# Altium PCB STC12C5A60S2_led流水灯.PcbDoc (part 2 of 2)
Units mm, origin at the board's own origin, x right, y up, seen from the top; angles counter-clockwise.
Board outline 98.73 x 79.17 mm, 2 copper layers (Top Layer, Bottom Layer); 224 components, 229 nets, 714 pads, 174 vias.
Unrouted connection lines stored in the file: 28.
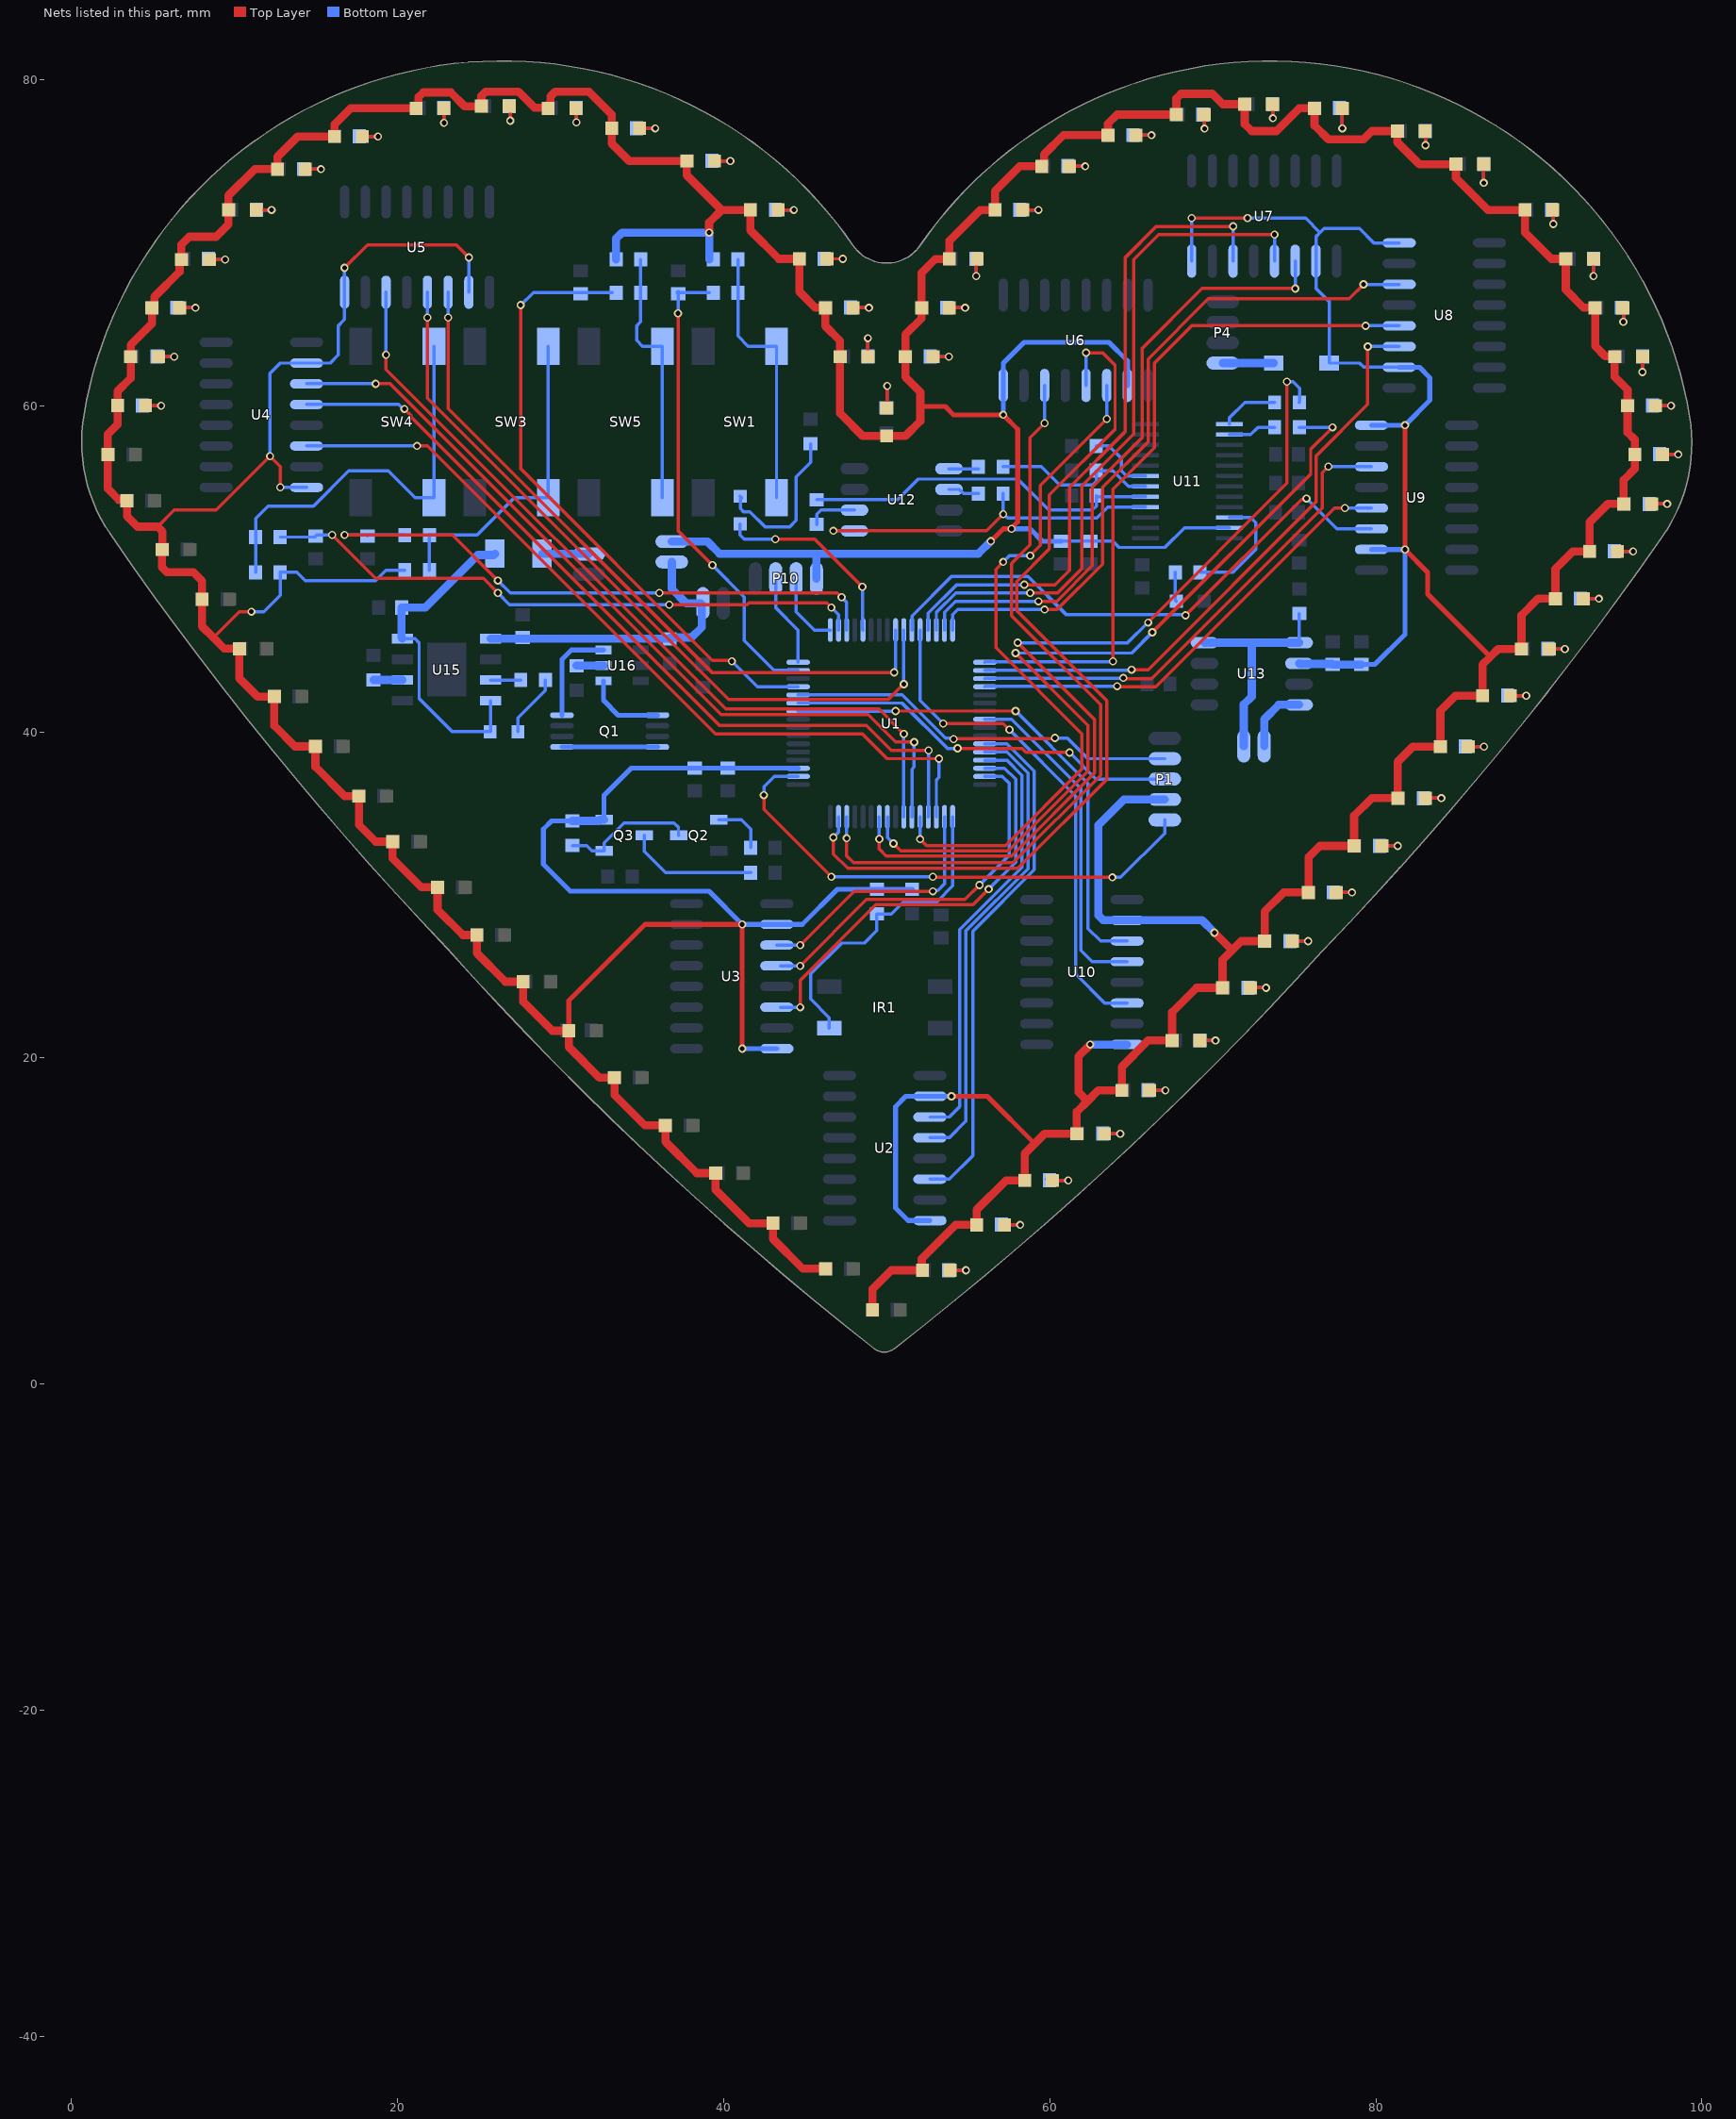
[diagram p2: the nets of this part, all layers, seen from the top]

## Via types
v1: diameter 0.5, hole 0.3, Top Layer to Bottom Layer, tented both sides, 174 vias

## Nets (pads, with @x,y where several pads share a name; then routed paths per layer and width w, separated by ;. In a path a pad name is that pad's centre, name@x,y a point inside that pad or via, vN(x,y) a via of type N, cw(c..) or ccw(c..) an arc to the next point about the centre after c; other vN are vias at no path point) (continued)
NetLED20_2: LED20.2 R20.2 | length 2.1
  Top Layer w0.2: LED20.2@4.551,60 v1(5.516,60)
  Bottom Layer w0.2: R20.2@4.377,60.013 4.39,60 v1(5.516,60)
NetLED21_2: LED21.2 R21.2 | length 2
  Top Layer w0.2: LED21.2@5.351,63 v1(6.316,63)
  Bottom Layer w0.2: R21.2@5.265,63.008 5.273,63 v1(6.316,63)
NetLED22_2: LED22.2 R22.2 | length 2.1
  Top Layer w0.2: LED22.2@6.651,66 v1(7.616,66)
  Bottom Layer w0.2: R22.2@6.477,66.008 6.485,66 v1(7.616,66)
NetLED23_2: LED23.2 R23.2 | length 2.1
  Top Layer w0.2: LED23.2@8.39,68.961 LED23.2@8.471,68.961 v1(9.436,68.961)
  Bottom Layer w0.2: R23.2@8.42,69 8.459,68.961 v1(9.436,68.961)
NetLED24_2: LED24.2 R24.2 | length 2
  Top Layer w0.2: LED24.2@11.351,72 v1(12.288,72)
  Bottom Layer w0.2: R24.2@11.185,72 v1(12.288,72)
NetLED25_2: LED25.2 R25.2 | length 2
  Top Layer w0.2: LED25.2@14.351,74.5 v1(15.316,74.5)
  Bottom Layer w0.2: R25.2@14.265,74.508 14.273,74.5 v1(15.316,74.5)
NetLED26_2: LED26.2 R26.2 | length 2.1
  Top Layer w0.2: LED26.2@17.851,76.5 v1(18.816,76.5)
  Bottom Layer w0.2: R26.2@17.677,76.508 17.685,76.5 v1(18.816,76.5)
NetLED27_2: LED27.2 R27.2 | length 1.8
  Top Layer w0.2: LED27.2@22.851,78.232 22.851,77.352 v1(22.86,77.343)
  Bottom Layer w0.2: R27.2@22.853,78.24 22.86,78.232 v1(22.86,77.343)
NetLED28_2: LED28.2 R28.2 | length 1.8
  Top Layer w0.2: LED28.2@26.851,78.359 26.924,78.286 v1(26.924,77.47)
  Bottom Layer w0.2: R28.2@26.853,78.367 26.924,78.295 v1(26.924,77.47)
NetLED29_2: LED29.2 R29.2 | length 1.8
  Top Layer w0.2: LED29.2@30.95,78.232 30.975,78.207 v1(30.975,77.368)
  Bottom Layer w0.2: R29.2@30.952,78.24 30.975,78.216 v1(30.975,77.368) v1@30.988,77.356
NetLED30_2: LED30.2 R30.2 | length 2.1
  Top Layer w0.2: LED30.2@34.851,77 v1(35.816,77)
  Bottom Layer w0.2: R30.2@34.677,77.008 34.685,77 v1(35.816,77)
NetLED31_2: LED31.2 R31.2 | length 2.1
  Top Layer w0.2: LED31.2@39.451,75 v1(40.416,75)
  Bottom Layer w0.2: R31.2@39.277,75.008 39.285,75 v1(40.416,75)
NetLED32_2: LED32.2 R32.2 | length 2.1
  Top Layer w0.2: LED32.2@43.351,72 v1(44.316,72)
  Bottom Layer w0.2: R32.2@43.177,72.008 43.185,72 v1(44.316,72)
NetLED33_2: LED33.2 R33.2 | length 2.1
  Top Layer w0.2: LED33.2@46.351,69 v1(47.316,69)
  Bottom Layer w0.2: R33.2@46.177,69.013 46.19,69 v1(47.316,69)
NetLED34_2: LED34.2 R34.2 | length 2.1
  Top Layer w0.2: LED34.2@47.951,66 v1(48.916,66)
  Bottom Layer w0.2: R34.2@47.777,66.013 47.79,66 v1(48.916,66)
NetLED35_2: LED35.2 R35.2 | length 2.3
  Top Layer w0.2: LED35.2@48.851,63 v1(48.851,64.135)
  Bottom Layer w0.2: R35.2@48.853,63.008 v1@48.853,64.133
NetLED36_2: LED36.2 R36.2 | length 2.8
  Top Layer w0.2: LED36.2@50,59.851 50.038,59.889 v1(50.038,61.214)
  Bottom Layer w0.2: R36.2@49.992,59.853 50.038,59.898 v1(50.038,61.214)
NetLED37_2: LED37.2 R37.2 | length 2.1
  Top Layer w0.2: LED37.2@52.851,63 v1(53.816,63)
  Bottom Layer w0.2: R37.2@52.677,63.008 52.685,63 v1(53.816,63)
NetLED38_2: LED38.2 R38.2 | length 2.1
  Top Layer w0.2: LED38.2@53.851,66 v1(54.816,66)
  Bottom Layer w0.2: R38.2@53.677,66.008 53.685,66 v1(54.816,66)
NetLED39_2: LED39.2 R39.2 | length 2.2
  Top Layer w0.2: v1(55.499,67.945) 55.499,68.948 LED39.2@55.551,69
  Bottom Layer w0.2: R39.2@55.465,69.008 55.499,68.974 v1(55.499,67.945)
NetLED40_2: LED40.2 R40.2 | length 2.1
  Top Layer w0.2: LED40.2@58.351,72 v1(59.316,72)
  Bottom Layer w0.2: R40.2@58.177,72.013 58.19,72 v1(59.316,72)
NetLED41_2: LED41.2 R41.2 | length 2
  Top Layer w0.2: LED41.2@61.214,74.676 v1(62.179,74.676)
  Bottom Layer w0.2: R41.2@61.128,74.684 61.136,74.676 v1(62.179,74.676)
NetLED42_2: LED42.2 R42.2 | length 2.1
  Top Layer w0.2: LED42.2@65.278,76.581 v1(66.243,76.581)
  Bottom Layer w0.2: R42.2@65.104,76.589 65.112,76.581 v1(66.243,76.581) v1@66.252,76.572
NetLED43_2: LED43.2 R43.2 | length 1.8
  Top Layer w0.2: LED43.2@69.469,77.851 69.494,77.826 v1(69.494,76.987)
  Bottom Layer w0.2: R43.2@69.383,77.859 69.494,77.747 v1(69.494,76.987)
NetLED44_2: LED44.2 R44.2 | length 1.8
  Top Layer w0.2: LED44.2@73.66,78.486 73.685,78.461 v1(73.685,77.622)
  Bottom Layer w0.2: R44.2@73.662,78.494 73.685,78.47 v1(73.685,77.622)
NetLED45_2: LED45.2 R45.2 | length 2.5
  Top Layer w0.2: v1(77.94,77) LED45.2@77.94,78.232
  Bottom Layer w0.2: R45.2@77.766,78.24 77.94,78.066 v1(77.94,77)
NetLED46_2: LED46.2 R46.2 | length 1.8
  Top Layer w0.2: LED46.2@83.02,76.835 83.045,76.81 v1(83.045,75.971)
  Bottom Layer w0.2: R46.2@83.022,76.843 83.045,76.819 v1(83.045,75.971)
NetLED47_2: LED47.2 R47.2 | length 2.3
  Top Layer w0.2: v1(86.614,73.66) LED47.2@86.614,74.803
  Bottom Layer w0.2: v1(86.614,73.66) R47.2@86.614,74.803
NetLED48_2: LED48.2 R48.2 | length 1.8
  Top Layer w0.2: LED48.2@90.851,72 90.876,71.975 v1(90.876,71.136)
  Bottom Layer w0.2: R48.2@90.765,72.008 90.876,71.896 v1(90.876,71.136)
NetLED49_2: LED49.2 R49.2 | length 2.1
  Top Layer w0.2: v1(93.345,67.945) 93.345,68.994 LED49.2@93.351,69
  Bottom Layer w0.2: v1(93.345,67.945) 93.345,69 R49.2@93.353,69.008
NetLED50_2: LED50.2 R50.2 | length 1.8
  Top Layer w0.2: LED50.2@95.151,66 95.176,65.975 v1(95.176,65.136)
  Bottom Layer w0.2: R50.2@95.065,66.008 95.176,65.896 v1(95.176,65.136)
NetLED51_2: LED51.2 R51.2 | length 1.9
  Top Layer w0.2: v1(96.351,62.061) LED51.2@96.351,63
  Bottom Layer w0.2: v1(96.351,62.061) 96.351,63.006 R51.2@96.353,63.008
NetLED52_2: LED52.2 R52.2 | length 2.1
  Top Layer w0.2: LED52.2@97.135,59.995 v1(98.1,59.995)
  Bottom Layer w0.2: R52.2@96.961,60.008 96.974,59.995 v1(98.1,59.995)
NetLED53_2: LED53.2 R53.2 | length 2.1
  Top Layer w0.2: LED53.2@97.583,57.01 v1(98.548,57.01)
  Bottom Layer w0.2: R53.2@97.409,57.023 97.422,57.01 v1(98.548,57.01)
NetLED54_2: LED54.2 R54.2 | length 2.1
  Top Layer w0.2: LED54.2@96.901,53.975 v1(97.866,53.975)
  Bottom Layer w0.2: R54.2@96.757,53.974 96.758,53.975 v1(97.866,53.975)
NetLED55_2: LED55.2 R55.2 | length 2.1
  Top Layer w0.2: LED55.2@94.811,51.062 v1(95.776,51.062)
  Bottom Layer w0.2: R55.2@94.637,51.07 94.645,51.062 v1(95.776,51.062)
NetLED56_2: LED56.2 R56.2 | length 2.1
  Top Layer w0.2: LED56.2@92.712,48.164 v1(93.678,48.164)
  Bottom Layer w0.2: R56.2@92.539,48.172 92.547,48.164 v1(93.678,48.164)
NetLED57_2: LED57.2 R57.2 | length 2
  Top Layer w0.2: LED57.2@90.628,45.077 v1(91.594,45.077)
  Bottom Layer w0.2: R57.2@90.542,45.085 90.55,45.077 v1(91.594,45.077)
NetLED58_2: LED58.2 R58.2 | length 2.1
  Top Layer w0.2: LED58.2@88.251,42.214 v1(89.216,42.214)
  Bottom Layer w0.2: R58.2@88.077,42.222 88.085,42.214 v1(89.216,42.214)
NetLED59_2: LED59.2 R59.2 | length 2.1
  Top Layer w0.2: LED59.2@85.661,39.089 v1(86.626,39.089)
  Bottom Layer w0.2: R59.2@85.487,39.097 85.495,39.089 v1(86.626,39.089)
NetLED60_2: LED60.2 R60.2 | length 2.1
  Top Layer w0.2: LED60.2@83.048,35.933 v1(84.013,35.933)
  Bottom Layer w0.2: R60.2@82.904,35.932 82.905,35.933 v1(84.013,35.933)
NetLED61_2: LED61.2 R61.2 | length 2.1
  Top Layer w0.2: LED61.2@80.371,33.008 v1(81.336,33.008)
  Bottom Layer w0.2: R61.2@80.227,33 80.235,33.008 v1(81.336,33.008)
NetLED62_2: LED62.2 R62.2 | length 2.1
  Top Layer w0.2: LED62.2@77.572,30.15 v1(78.537,30.15)
  Bottom Layer w0.2: R62.2@77.398,30.158 77.406,30.15 v1(78.537,30.15)
NetLED63_2: LED63.2 R63.2 | length 2.1
  Top Layer w0.2: LED63.2@74.88,27.17 v1(75.846,27.17)
  Bottom Layer w0.2: R63.2@74.736,27.17 v1(75.846,27.17)
NetLED64_2: LED64.2 R64.2 | length 2.1
  Top Layer w0.2: LED64.2@72.302,24.307 v1(73.267,24.307)
  Bottom Layer w0.2: R64.2@72.157,24.307 v1(73.267,24.307)
NetLED65_2: LED65.2 R65.2 | length 1.9
  Top Layer w0.2: LED65.2@69.205,21.074 v1(70.17,21.074)
  Bottom Layer w0.2: R65.2@69.206,21.082 69.214,21.074 v1(70.17,21.074)
NetLED66_2: LED66.2 R66.2 | length 2
  Top Layer w0.2: LED66.2@66.129,18 66.144,18.015 v1(67.094,18.015)
  Bottom Layer w0.2: R66.2@66.043,18 66.058,18.015 v1(67.094,18.015)
NetLED67_2: LED67.2 R67.2 | length 2
  Top Layer w0.2: LED67.2@63.363,15.359 v1(64.328,15.359)
  Bottom Layer w0.2: R67.2@63.247,15.367 63.255,15.359 v1(64.328,15.359)
NetLED68_2: LED68.2 R68.2 | length 2.1
  Top Layer w0.2: LED68.2@60.173,12.497 v1(61.138,12.497)
  Bottom Layer w0.2: R68.2@59.808,12.573 R68.2@59.816,12.565 ; R68.2@59.999,12.505 60.007,12.497 v1(61.138,12.497)
NetLED69_2: LED69.2 R69.2 | length 2.1
  Top Layer w0.2: LED69.2@57.227,9.771 v1(58.193,9.771)
  Bottom Layer w0.2: R69.2@57.054,9.779 57.062,9.771 v1(58.193,9.771)
NetLED70_2: LED70.2 R70.2 | length 2
  Top Layer w0.2: LED70.2@53.899,6.985 v1(54.864,6.985)
  Bottom Layer w0.2: R70.2@53.813,6.993 53.821,6.985 v1(54.864,6.985)
NetLED71_2: LED71.2 R101.2 | length 3.9
  Bottom Layer w0.2: LED71.2@27.394,40.005 27.394,40.856 29.074,42.536 R101.2@29.074,43.18
NetLED72_1: LED72.1 R79.1 | length 1.8
  Bottom Layer w0.2: R79.1@67.7,49.784 67.7,48.074 LED72.1@67.767,48.006
NetLED73_2: LED73.2 R78.2 | length 9.9
  Bottom Layer w0.2: LED73.2@41.021,54.445 41.11,54.356 41.029,54.275 41.029,53.693 41.225,53.498 41.625,53.498 42.545,52.578 44.069,52.578 44.45,52.959 44.45,55.626 45.339,56.515 R78.2@45.339,57.667
NetQ1_1: Q1.1 Q1.8 | length 5.9
  Bottom Layer w0.3: Q1.1@30.093,39.073 Q1.8@35.947,39.073
NetQ1_4: Q1.4 U16.3 | length 6.2
  Bottom Layer w0.3: Q1.4@30.093,41.024 30.093,44.444 30.668,45.019 U16.3@32.637,45.019
NetQ1_5: Q1.5 U16.1 | length 4.9
  Bottom Layer w0.3: U16.1@32.637,43.119 32.637,41.932 33.545,41.024 Q1.5@35.947,41.024
NetQ2_1: Q2.1 R72.2 | length 3.3
  Bottom Layer w0.2: Q2.1@39.716,34.605 41.087,34.605 41.665,34.027 R72.2@41.665,32.893
NetQ2_3: Q2.3 Q3.1 R75.2 | length 8.2
  Bottom Layer w0.2: R75.2@30.734,33.029 30.743,33.02 31.623,33.02 31.938,32.705 Q3.1@32.674,32.705 32.68,32.711 32.68,33.188 33.909,34.417 36.957,34.417 37.236,34.138 37.236,33.665 Q2.3@37.246,33.655
NetQ3_3: Q3.3 R76.1 | length 8
  Bottom Layer w0.2: Q3.3@35.144,33.655 35.144,32.674 36.449,31.369 R76.1@41.665,31.369
NetR73_1: R73.1 R74.1 SW1.1 SW1.2 | length 16.6
  Bottom Layer w0.2: R73.1@40.885,68.961 R74.1@40.885,66.929 40.885,64.271 41.513,63.643 SW1.2@43.25,63.643 SW1.1@43.25,54.357
NetR79_2: R79.2 U11.10 | length 7.4
  Bottom Layer w0.2: R79.2@69.206,49.784 71.247,49.784 72.644,51.181 72.644,52.832 72.326,53.149 U11.10@71.023,53.149
NetR80_2: R80.2 U12.2 | length 1.9
  Bottom Layer w0.2: U12.2@53.827,54.864 54.462,54.864 54.716,54.61 R80.2@55.635,54.61
NetR81_2: R81.2 U12.1 | length 1.8
  Bottom Layer w0.2: U12.1@53.827,56.134 R81.2@55.635,56.134
NetR82_1: R82.1 U12.6 | length 3
  Bottom Layer w0.2: R82.1@45.72,52.714 45.72,53.34 45.974,53.594 U12.6@48.027,53.594
NetR83_1: R83.1 U11.19 | length 4.2
  Bottom Layer w0.2: R83.1@62.856,57.531 63.627,57.531 64.389,56.769 64.389,56.007 64.706,55.69 U11.19@65.883,55.69
NetR89_1: R89.1 R90.1 SW5.1 SW5.2 | length 16.1
  Bottom Layer w0.2: 34.916,65.144 R90.1@34.916,66.929 R89.1@34.916,68.961 ; 34.917,65.143 34.671,64.897 34.671,64.008 35.036,63.643 SW5.2@36.25,63.643 SW5.1@36.25,54.357
NetR91_1: R91.1 R92.1 SW3.1 SW3.2 | length 19.7
  Bottom Layer w0.2: R91.1@21.962,49.911 R92.1@21.962,52.07 24.892,52.07 27.179,54.357 SW3.1@29.25,54.357 SW3.2@29.25,63.643
NetR93_1: R93.1 R94.1 SW4.1 SW4.2 | length 25.4
  Bottom Layer w0.2: R93.1@11.312,49.784 R94.1@11.312,51.943 11.312,53.095 12.065,53.848 14.859,53.848 17.018,56.007 19.431,56.007 21.081,54.357 SW4.1@22.25,54.357 SW4.2@22.25,63.643
NetR95_2: R95.2 U11.1 | length 3.6
  Bottom Layer w0.2: U11.1@71.023,58.864 71.023,59.257 71.964,60.198 R95.2@73.796,60.198
NetR96_2: R96.2 U11.2 | length 3
  Bottom Layer w0.2: U11.2@71.023,58.229 72.326,58.229 72.771,58.674 R96.2@73.796,58.674
NetR100_2: R100.2 U15.2 | length 1.8
  Bottom Layer w0.5: R100.2@18.542,43.189 18.546,43.184 20.316,43.184 U15.2@20.32,43.18
NetR101_1: R101.1 U15.7 | length 1.8
  Bottom Layer w0.2: U15.7@25.72,43.18 R101.1@27.568,43.18
NetR102_1: R102.1 U16.2 | length 1.7
  Bottom Layer w0.5: R102.1@30.988,44.06 30.992,44.065 32.633,44.065 U16.2@32.637,44.069
P0.0: U1.59 U2.14 | length 32.1
  Bottom Layer w0.2: U2.14@52.655,12.573 53.848,12.573 55.286,14.011 55.286,27.774 59.055,31.543 59.055,37.592 57.38,39.267 U1.59@56.027,39.267
P0.1: U1.60 U2.12 | length 28.7
  Bottom Layer w0.2: U2.12@52.655,15.113 53.848,15.113 54.864,16.129 54.864,27.805 58.674,31.615 58.674,37.465 57.372,38.767 U1.60@56.027,38.767
P0.2: U1.61 U2.11 | length 26.6
  Bottom Layer w0.2: U2.11@52.655,16.383 53.848,16.383 54.483,17.018 54.483,27.876 58.293,31.686 58.293,37.338 57.364,38.267 U1.61@56.027,38.267
P0.3: U1.62 U3.14 | length 26.3
  Top Layer w0.2: v1(44.704,23.114) 44.704,24.765 49.337,29.398 55.306,29.398 v1(56.261,30.353)
  Bottom Layer w0.2: U3.14@43.5,23.114 v1(44.704,23.114) ; U1.62@56.027,37.767 57.239,37.767 57.912,37.094 57.912,32.004 v1(56.261,30.353)
P0.4: U1.63 U3.12 | length 22.9
  Top Layer w0.2: v1(44.704,25.654) 48.768,29.718 54.806,29.718 v1(55.695,30.607)
  Bottom Layer w0.2: U3.12@43.5,25.654 v1(44.704,25.654) ; v1(55.695,30.607) 57.531,32.443 57.531,36.83 57.094,37.267 U1.63@56.027,37.267
P0.5: U1.2 U3.11 | length 15.9
  Top Layer w0.2: v1(44.704,26.924) 48.006,30.226 v1(52.832,30.226)
  Bottom Layer w0.2: U3.11@43.269,26.924 v1(44.704,26.924) ; v1(52.832,30.226) 52.889,30.283 53.143,30.283 53.552,30.692 U1.2@53.552,34.792
P0.6: U1.3 U4.14 | length 50.4
  Top Layer w0.2: v1(21.209,57.531) 21.844,57.531 39.497,39.878 48.514,39.878 50.038,38.354 v1(53.213,38.354)
  Bottom Layer w0.2: U4.14@14.428,57.531 v1(21.209,57.531) ; U1.3@53.052,34.792 53.052,37.05 53.213,37.211 v1(53.213,38.354)
P0.7: U1.4 U4.12 | length 51.1
  Top Layer w0.2: v1(20.432,59.802) 20.843,59.391 20.843,59.294 39.751,40.386 48.768,40.386 50.292,38.862 v1(52.578,38.862)
  Bottom Layer w0.2: U4.12@14.428,60.071 20.082,60.071 20.351,59.802 v1(20.432,59.802) ; U1.4@52.552,34.792 52.565,34.805 52.565,38.849 v1(52.578,38.862)
P1.4: U1.14 U6.14 | length 47.4
  Top Layer w0.2: v1(47.552,33.474) 47.552,32.397 47.975,31.974 57.755,31.974 63.119,37.338 63.119,41.656 57.658,47.117 57.658,50.322 58.801,51.465 58.801,58.039 v1(59.69,58.928)
  Bottom Layer w0.2: v1(47.552,33.474) U1.14@47.552,34.792 ; v1(59.69,58.928) U6.14@59.69,61.239
P1.5: U1.15 U6.12 | length 56.1
  Top Layer w0.2: v1(46.736,33.528) 46.736,32.512 47.625,31.623 58.039,31.623 63.5,37.084 63.5,41.91 57.978,47.432 57.978,49.217 59.982,51.221 59.982,54.521 64.008,58.547 64.008,62.484 63.246,63.246 v1(62.229,63.246)
  Bottom Layer w0.2: v1(46.736,33.528) 47.052,33.844 U1.15@47.052,34.792 ; U6.12@62.23,61.239 v1(62.229,63.246)
P2.0: U1.45 U7.14 | length 40.9
  Top Layer w0.2: v1(58.448,49.022) 58.457,49.013 60.316,49.013 61.214,49.911 61.214,54.991 64.643,58.42 64.643,69.088 66.548,70.993 v1(71.247,70.993)
  Bottom Layer w0.2: U1.45@52.552,46.242 52.552,47.273 54.301,49.022 v1(58.448,49.022) ; U7.14@71.247,68.859 v1(71.247,70.993)
P2.1: U1.46 U7.12 | length 42.3
  Top Layer w0.2: v1(58.802,48.513) 58.803,48.514 60.483,48.514 61.976,50.007 61.976,55.08 65.151,58.255 65.151,68.961 66.675,70.485 v1@73.771,70.485
  Bottom Layer w0.2: U1.46@53.052,46.242 53.052,47.321 54.245,48.514 v1(58.802,48.513) v1(58.802,48.513) ; U7.12@73.787,68.859 v1(73.787,70.485)
P2.2: U1.47 U7.11 | length 38.5
  Top Layer w0.2: v1(59.309,48.006) 60.428,48.006 62.611,50.189 62.611,54.991 65.659,58.039 65.659,63.5 69.342,67.183 v1(75.057,67.183)
  Bottom Layer w0.2: U1.47@53.552,46.242 53.552,47.329 54.229,48.006 v1(59.309,48.006) ; v1(75.057,67.183) U7.11@75.057,68.859
P2.3: U1.48 U8.14 | length 42.4
  Top Layer w0.2: v1(59.69,47.498) 60.452,47.498 63.246,50.292 63.246,54.991 66.04,57.785 66.04,62.865 69.723,66.548 78.359,66.548 v1(79.248,67.437)
  Bottom Layer w0.2: U1.48@54.052,46.242 54.052,47.194 54.356,47.498 v1(59.69,47.498) ; v1(79.248,67.437) U8.14@81.432,67.437
P2.4: U1.49 U8.12 | length 43.2
  Top Layer w0.2: v1(63.881,44.323) 63.881,54.878 66.421,57.418 66.421,62.611 68.707,64.897 v1(79.375,64.897)
  Bottom Layer w0.2: U1.49@56.027,44.267 56.046,44.286 63.844,44.286 v1(63.881,44.323) ; v1(79.375,64.897) U8.12@81.432,64.897
P2.5: U1.50 U8.11 | length 37.4
  Top Layer w0.2: v1(65.024,43.815) 66.04,43.815 76.327,54.102 76.327,56.896 79.502,60.071 v1(79.502,63.627)
  Bottom Layer w0.2: U1.50@56.027,43.767 56.046,43.786 64.995,43.786 v1(65.024,43.815) ; v1(79.502,63.627) U8.11@81.432,63.627
P2.6: U1.51 U9.14 | length 30.4
  Top Layer w0.2: v1(64.516,43.307) 64.556,43.267 66.254,43.267 76.708,53.721 76.708,55.88 v1(77.089,56.261)
  Bottom Layer w0.2: U1.51@56.027,43.267 56.046,43.286 64.495,43.286 v1(64.516,43.307) ; v1(77.089,56.261) U9.14@79.731,56.261
P2.7: U1.52 U9.12 | length 28.3
  Top Layer w0.2: v1(64.135,42.799) 64.167,42.767 66.516,42.767 77.47,53.721 v1(78.105,53.721)
  Bottom Layer w0.2: U1.52@56.027,42.767 56.043,42.783 64.119,42.783 v1(64.135,42.799) ; v1(78.105,53.721) U9.12@79.731,53.721
P3.0: P1.3 U1.27 | length 24.4
  Top Layer w0.2: v1(54.356,38.989) 58.293,38.989 58.547,38.735 v1(61.214,38.735)
  Bottom Layer w0.2: U1.27@44.577,41.767 50.943,41.767 53.721,38.989 v1(54.356,38.989) ; v1(61.214,38.735) 62.845,37.104 P1.3@67.056,37.104
P3.1: P1.4 U1.28 | length 24.2
  Top Layer w0.2: v1(54.102,39.555) 54.137,39.589 60.29,39.589 v1(60.325,39.624)
  Bottom Layer w0.2: U1.28@44.577,42.267 50.951,42.267 53.606,39.612 54.045,39.612 v1(54.102,39.555) ; v1(60.325,39.624) 61.087,39.624 62.357,38.354 P1.4@67.056,38.354
P3.2: C20.2 R90.2 U1.29 | length 38.5
  Top Layer w0.2: v1(27.559,66.167) 27.559,56.134 39.313,44.38 40.456,44.38 v1(40.513,44.323)
  Bottom Layer w0.2: v1(27.559,66.167) 28.337,66.945 31.242,66.945 31.258,66.929 R90.2@33.163,66.929 ; v1(40.513,44.323) 42.069,42.767 U1.29@44.577,42.767
P3.4: C5.2 R74.2 U1.31 | length 29
  Top Layer w0.2: v1(37.211,65.659) 37.211,52.324 v1(39.317,50.218)
  Bottom Layer w0.2: v1(37.211,65.659) C5.2@37.211,66.864 C5.2@37.211,66.945 ; C5.2@37.227,66.929 R74.2@39.132,66.929 ; v1(39.317,50.218) 41.275,48.26 41.275,45.593 43.101,43.767 U1.31@44.577,43.767
  Bottom Layer w0.3: C5.2@37.211,66.945 C5.2@37.227,66.929
P3.5: C22.2 R94.2 U1.34 | length 37.4
  Top Layer w0.2: v1(16.002,52.07) 18.669,49.403 25.273,49.403 v1(26.162,48.514) ; v1(36.668,47.79) 41.432,47.79 41.556,47.914 46.32,47.914 v1(46.609,47.625)
  Bottom Layer w0.2: R94.2@12.818,51.943 14.921,51.943 15.048,52.07 v1(16.002,52.07) ; v1(26.162,48.514) 26.874,47.802 36.656,47.802 v1(36.668,47.79) ; v1(46.609,47.625) 47.052,47.182 U1.34@47.052,46.242
P3.6: C21.2 R92.2 U1.35 | length 37.9
  Top Layer w0.2: v1(16.764,52.07) 23.368,52.07 v1(26.162,49.276) ; v1(36.068,48.514) 46.977,48.514 47.231,48.26 v1(47.244,48.26)
  Bottom Layer w0.2: v1(16.764,52.07) 18.099,52.07 C21.2@18.161,52.008 18.223,52.07 R92.2@20.456,52.07 ; v1(26.162,49.276) 26.924,48.514 v1(36.068,48.514) ; v1(47.244,48.26) 47.552,47.952 U1.35@47.552,46.242
P4.1: U1.41 U5.11 | length 43.8
  Top Layer w0.2: v1(23.114,65.405) 23.114,59.817 39.287,43.644 v1(50.463,43.644)
  Bottom Layer w0.2: v1(23.114,65.405) U5.11@23.114,66.954 ; v1(50.463,43.644) 50.463,43.725 50.552,43.813 U1.41@50.552,46.242
P4.2: U1.42 U5.12 | length 47.1
  Top Layer w0.2: v1(21.844,65.405) 21.844,60.452 40.322,41.974 50.102,41.974 v1(51.054,42.926)
  Bottom Layer w0.2: v1(21.844,65.405) U5.12@21.844,66.954 ; U1.42@51.052,46.242 51.052,42.928 v1(51.054,42.926)
P4.3: U1.43 U9.11 | length 34.8
  Top Layer w0.2: v1(68.326,47.142) 75.433,54.249 75.692,54.249 v1(75.749,54.307)
  Bottom Layer w0.2: U1.43@51.552,46.242 51.552,47.107 53.975,49.53 58.674,49.53 61.029,47.175 68.293,47.175 v1(68.326,47.142) ; v1(75.749,54.307) 77.605,52.451 U9.11@79.731,52.451
P4.4: U1.44 U10.14 | length 31.1
  Top Layer w0.2: v1(53.467,40.513) 57.134,40.513 57.515,40.132 v1(57.531,40.132)
  Bottom Layer w0.2: U1.44@52.052,46.242 52.052,41.928 v1(53.467,40.513) ; v1(57.531,40.132) 61.595,36.068 61.595,25.146 63.373,23.368 U10.14@64.745,23.368
P4.5: U1.56 U10.12 | length 20.7
  Bottom Layer w0.2: U1.56@56.027,40.767 57.658,40.767 61.915,36.51 61.915,26.604 62.611,25.908 U10.12@64.745,25.908
P5.3: IR1.3 R88.1 U1.1 | length 19.6
  Bottom Layer w0.2: IR1.3@46.486,21.844 46.484,21.846 46.484,22.477 45.339,23.622 45.339,25.146 47.244,27.051 48.641,27.051 49.403,27.813 R88.1@49.403,28.838 50.301,28.838 51.054,29.591 53.086,29.591 54.052,30.557 U1.1@54.052,34.792
P6.0: U1.5 U6.11 | length 42.7
  Top Layer w0.2: v1(52.052,33.419) 52.446,33.025 57.282,33.025 61.976,37.719 61.976,39.878 56.698,45.156 56.698,49.967 v1(57.15,50.419) ; v1(58.801,50.8) 59.436,51.435 59.436,55.118 v1(63.5,59.182)
  Bottom Layer w0.2: v1(52.052,33.419) U1.5@52.052,34.792 ; v1(57.15,50.419) 57.531,50.8 v1(58.801,50.8) ; v1(63.5,59.182) U6.11@63.5,61.239
P6.1: U1.6 U4.11 | length 51
  Top Layer w0.2: v1(18.669,61.341) 19.558,61.341 39.848,41.051 48.865,41.051 50.546,39.37 v1(51.689,39.37)
  Bottom Layer w0.2: U4.11@14.428,61.341 v1(18.669,61.341) ; U1.6@51.552,34.792 51.552,37.709 51.689,37.846 v1(51.689,39.37)
P6.2: U1.7 U5.14 | length 50.8
  Top Layer w0.2: v1(19.304,63.119) 19.304,62.23 40.132,41.402 49.53,41.402 v1(51.054,39.878)
  Bottom Layer w0.2: v1(19.304,63.119) U5.14@19.304,66.954 ; U1.7@51.052,34.792 51.053,34.793 v1(51.054,39.878) v1(51.054,39.878)
P6.7: U1.26 U10.11 | length 31.2
  Top Layer w0.2: v1(50.546,41.275) v1(57.912,41.275)
  Bottom Layer w0.2: U1.26@44.577,41.267 50.538,41.267 v1(50.546,41.275) ; v1(57.912,41.275) 62.357,36.83 62.357,27.94 63.119,27.178 U10.11@64.745,27.178
P7.0: LED73.1 U1.37 | length 12.1
  Top Layer w0.2: v1(43.18,51.816) 45.593,51.816 v1(48.514,48.895)
  Bottom Layer w0.2: LED73.1@41.021,52.743 41.021,52.07 41.275,51.816 v1(43.18,51.816) ; v1(48.514,48.895) 48.533,48.876 48.533,46.261 U1.37@48.552,46.242
RST: P1.1 U1.18 | length 32
  Top Layer w0.2: v1(42.474,36.124) 42.474,35.25 v1(46.609,31.115) ; v1(52.832,31.115) 52.87,31.077 v1(63.843,31.077)
  Bottom Layer w0.2: v1(42.474,36.124) 42.474,36.632 43.109,37.267 U1.18@44.577,37.267 ; v1(46.609,31.115) v1(52.832,31.115) ; v1(63.843,31.077) 64.351,31.077 67.056,33.782 P1.1@67.056,34.604
RXD3: P10.3 U1.32 | length 5.7
  Bottom Layer w0.2: P10.3@43.2,49.403 43.2,47.605 44.577,46.228 U1.32@44.577,44.267
SPI_CLK: R82.2 R85.1 U11.17 | length 22.2
  Bottom Layer w0.2: R82.2@45.72,54.255 50.699,54.255 51.943,55.499 58.039,55.499 59.944,53.594 62.611,53.594 62.856,53.839 R85.1@62.856,54.483 62.92,54.42 U11.17@65.883,54.42
SPI_CS: R81.1 R84.1 U11.18 | length 10.3
  Bottom Layer w0.2: R81.1@57.141,56.261 59.487,56.261 60.605,55.144 62.637,55.144 62.856,55.363 R84.1@62.856,56.007 63.881,56.007 64.833,55.055 U11.18@65.883,55.055
SPI_DO: R80.1 U11.16 U12.5 | length 22.5
  Top Layer w0.2: v1(46.736,52.324) 56.134,52.324 v1(57.15,53.34)
  Bottom Layer w0.2: v1(46.736,52.324) U12.5@48.027,52.324 ; R80.1@57.141,54.61 57.15,54.601 v1(57.15,53.34) 57.195,53.34 57.417,53.118 62.897,53.118 63.564,53.785 U11.16@65.883,53.785
SPK1: P2.2 R86.2 U13.4 U13.5 | length 14.1
  Bottom Layer w0.2: U13.5@75.29,45.466 75.29,47.232 R86.2@75.311,47.253
  Bottom Layer w0.5: U13.4@69.49,45.466 72.39,45.466 ; P2.2@71.902,39.116 71.902,41.676 72.39,42.164 72.39,45.466 ; U13.5@75.29,45.466 72.39,45.466
SPK2: P2.1 U13.8 | length 4.2
  Bottom Layer w0.5: P2.1@73.152,39.116 73.152,40.767 74.041,41.656 U13.8@75.29,41.656
TXD3: P10.2 U1.33 | length 4.6
  Bottom Layer w0.2: P10.2@44.45,49.403 44.45,47.371 45.579,46.242 U1.33@46.552,46.242
UART_RXD2: R96.1 U1.9 | length 53.1
  Top Layer w0.2: v1(50.419,33.147) 50.861,32.705 57.47,32.705 62.357,37.592 62.357,40.386 v1(57.912,44.831) ; v1(66.294,46.101) 76.007,55.814 76.007,57.338 v1(77.343,58.674)
  Bottom Layer w0.2: U1.9@50.052,34.792 50.052,33.514 v1(50.419,33.147) ; v1(57.912,44.831) 65.024,44.831 v1(66.294,46.101) ; R96.1@75.302,58.674 v1(77.343,58.674)
UART_TXD2: R95.1 U1.10 | length 56
  Top Layer w0.2: v1(49.552,33.423) 49.552,32.816 49.983,32.385 57.658,32.385 62.738,37.465 62.738,40.767 v1(58.039,45.466) ; v1(66.04,46.705) 66.04,46.736 74.549,55.245 v1(74.549,61.468)
  Bottom Layer w0.2: v1(49.552,33.423) U1.10@49.552,34.792 ; v1(58.039,45.466) 64.77,45.466 66.009,46.705 v1(66.04,46.705) ; v1(74.549,61.468) 74.93,61.468 75.331,61.067 75.331,60.227 R95.1@75.302,60.198
USB-A: D2.1 P4.4 | length 3.1
  Bottom Layer w0.5: P4.4@70.612,62.611 D2.1@73.738,62.611
Vbat+: C26.1 P3.2 R103.1 SW2.1 U15.5 | length 18.5
  Bottom Layer w0.5: U15.5@25.72,45.72 36.703,45.72 36.766,45.783 38.036,45.783 38.678,46.425 38.678,47.822 38.654,47.822 38.596,47.879 37.719,47.879 36.83,48.768 SW2.1@36.83,50.419
VBUS: C25.1 F1.2 LED71.1 U15.4 U15.8 | length 20.7
  Bottom Layer w0.2: U15.4@20.32,45.72 21.08,45.72 21.336,45.464 21.336,42.037 23.368,40.005 LED71.1@25.692,40.005 25.72,40.033 U15.8@25.72,41.91
  Bottom Layer w0.5: U15.4@20.32,45.72 20.308,45.72 20.258,45.77 C25.1@20.258,47.625 21.717,47.625 24.935,50.843 25.903,50.843 F1.2@25.987,50.927
VBUS_5V: F1.1 P0.1 | length 2.9
  Bottom Layer w0.5: F1.1@28.877,50.927 28.897,50.907 P0.1@31.75,50.907
VCC_5V: C3.2 C4.2 C10.1 C11.1 C17.2 C18.2 D2.2 LED1.1 LED2.1 LED3.1 LED4.1 LED5.1 LED6.1 LED7.1 LED8.1 LED9.1 LED10.1 LED11.1 LED12.1 LED13.1 LED14.1 LED15.1 LED16.1 LED17.1 LED18.1 LED19.1 LED20.1 LED21.1 LED22.1 LED23.1 LED24.1 LED25.1 LED26.1 LED27.1 LED28.1 LED29.1 LED30.1 LED31.1 LED32.1 LED33.1 LED34.1 LED35.1 LED36.1 LED37.1 LED38.1 LED39.1 LED40.1 LED41.1 LED42.1 LED43.1 LED44.1 LED45.1 LED46.1 LED47.1 LED48.1 LED49.1 LED50.1 LED51.1 LED52.1 LED53.1 LED54.1 LED55.1 LED56.1 LED57.1 LED58.1 LED59.1 LED60.1 LED61.1 LED62.1 LED63.1 LED64.1 LED65.1 LED66.1 LED67.1 LED68.1 LED69.1 LED70.1 P1.2 P10.1 Q3.2 R73.2 R75.1 R87.2 R88.2 R89.2 R91.2 R93.2 SW2.2 U1.19 U2.10 U2.16 U3.10 U3.16 U4.10 U4.16 U5.10 U5.16 U6.10 U6.16 U7.10 U7.16 U8.10 U8.16 U9.10 U9.16 U10.10 U10.16 U11.11 U13.6 | length 638.6
  Top Layer w0.2: 5.304,52.578 6.32,53.594 8.89,53.594 v1(12.192,56.896) 12.827,56.261 v1(12.827,54.991) ; 8.713,45.782 10.303,47.371 v1(11.049,47.371) ; v1(16.764,68.453) 18.161,69.85 23.622,69.85 v1(24.384,69.088) ; v1(68.707,71.501) v1(72.136,71.501)
  Top Layer w0.3: LED7.1@30.512,21.674 30.512,23.527 35.179,28.194 v1(41.148,28.194) v1(41.148,20.574) ; 52.07,59.944 53.594,59.944 54.102,59.436 v1(57.15,59.436) 58.039,58.547 58.039,52.886 57.658,52.505 v1(57.658,52.451) 57.15,52.451 v1(56.388,51.689) ; v1(53.975,17.653) 56.177,17.653 59.076,14.753 ; v1(81.788,58.801) v1(81.788,51.181) 83.185,49.784 83.185,48.441 87.022,44.604
  Top Layer w0.5: v1(39.116,70.612) 39.116,71.229 39.887,72 ; LED2.1@46.261,7.078 44.865,7.078 43.032,8.911 LED3.1@43.032,9.872 41.563,9.872 39.516,11.919 39.516,12.938 LED4.1@39.524,12.946 38.362,12.946 36.436,14.872 LED5.1@36.436,15.867 35.187,15.867 33.312,17.742 LED6.1@33.312,18.796 32.385,18.796 30.512,20.669 LED7.1@30.512,21.674 29.507,21.674 27.713,23.468 LED8.1@27.713,24.683 26.625,24.683 24.879,26.429 LED9.1@24.879,27.54 24.022,27.54 22.466,29.096 LED10.1@22.466,30.467 21.476,30.467 19.712,32.231 LED11.1@19.712,33.266 18.677,33.266 17.64,34.303 LED12.1@17.64,36.06 16.772,36.06 14.973,37.859 LED13.1@14.973,39.108 13.724,39.108 12.455,40.377 LED14.1@12.455,42.164 11.43,42.164 10.314,43.28 LED15.1@10.314,45.096 9.399,45.096 8.713,45.782 8.028,46.468 LED16.1@8.028,48.125 8.028,49.249 7.493,49.784 5.868,49.784 5.575,50.077 LED17.1@5.575,51.173 5.575,51.302 5.597,51.323 5.597,52.285 5.304,52.578 4.064,52.578 3.416,53.226 LED18.1@3.416,54.165 3.416,54.229 2.921,54.229 2.249,54.901 LED19.1@2.249,57 2.249,58.256 2.849,58.856 LED20.1@2.849,60 2.849,60.888 3.649,61.688 LED21.1@3.649,63 3.649,63.72 4.949,65.02 LED22.1@4.949,66 5.099,66.15 5.099,66.678 6.646,68.224 6.646,68.837 LED23.1@6.769,68.961 6.761,68.969 6.761,69.88 7.239,70.358 8.89,70.358 9.649,71.117 LED24.1@9.649,72 9.649,72.895 11.254,74.5 LED25.1@12.649,74.5 12.649,75.26 13.889,76.5 LED26.1@16.149,76.5 16.149,77.236 17.145,78.232 LED27.1@21.149,78.232 21.299,78.382 21.299,78.916 21.592,79.209 23.28,79.209 24.13,78.359 LED28.1@25.149,78.359 25.149,78.991 25.406,79.248 27.432,79.248 28.418,78.262 29.218,78.262 LED29.1@29.248,78.232 29.386,78.37 29.386,78.955 29.679,79.248 31.75,79.248 33.149,77.849 LED30.1@33.149,77 33.149,76.071 34.22,75 LED31.1@37.749,75 37.749,74.138 39.887,72 ; LED1.1@49.136,4.553 49.136,5.829 50.292,6.985 LED70.1@52.197,6.985 52.154,7.028 52.154,7.688 54.237,9.771 LED69.1@55.526,9.771 55.526,10.695 57.328,12.497 LED68.1@58.471,12.497 58.471,14.148 59.076,14.753 59.682,15.359 LED67.1@61.661,15.359 61.661,16.703 62.317,17.359 ; v1(62.484,20.828) 61.762,20.106 61.762,17.914 62.317,17.359 ; v1(70.104,27.686) 71.173,26.617 71.173,26.596 ; 39.887,72 LED32.1@41.649,72 41.649,70.746 43.395,69 LED33.1@44.649,69 44.649,66.984 45.633,66 LED34.1@46.249,66 46.249,64.876 47.149,63.976 LED35.1@47.149,63 47.149,59.531 48.531,58.149 LED36.1@50,58.149 51.164,58.149 52.07,59.055 52.07,59.944 52.07,60.833 51.149,61.754 LED37.1@51.149,63 51.149,64.357 52.149,65.357 LED38.1@52.149,66 52.149,68.151 52.993,68.995 53.844,68.995 LED39.1@53.849,69 53.849,70.105 55.744,72 LED40.1@56.649,72 56.649,73.159 58.166,74.676 LED41.1@59.512,74.676 59.65,74.814 59.65,75.398 60.833,76.581 LED42.1@63.576,76.581 63.576,77.292 64.135,77.851 LED43.1@67.767,77.851 67.767,78.828 68.06,79.121 69.977,79.121 70.612,78.486 LED44.1@71.958,78.486 71.958,77.267 72.39,76.835 73.914,76.835 75.311,78.232 LED45.1@76.238,78.232 76.238,77.178 77.089,76.327 79.248,76.327 79.756,76.835 LED46.1@81.318,76.835 81.318,76.162 82.677,74.803 LED47.1@84.912,74.803 84.912,73.965 86.877,72 LED48.1@89.149,72 89.149,70.617 90.766,69 LED49.1@91.649,69 91.649,67.101 92.75,66 LED50.1@93.449,66 93.449,63.65 94.066,63.033 94.616,63.033 LED51.1@94.649,63 94.649,61.756 95.433,60.972 LED52.1@95.433,59.995 95.433,58.364 95.881,57.916 LED53.1@95.881,57.01 95.932,56.959 95.885,56.913 95.885,56.134 95.199,55.448 LED54.1@95.199,53.975 94.234,53.975 93.109,52.85 LED55.1@93.109,51.062 92.083,51.062 91.011,49.99 LED56.1@91.011,48.164 89.947,48.164 88.927,47.144 LED57.1@88.927,45.077 87.495,45.077 87.022,44.604 86.549,44.131 LED58.1@86.549,42.214 84.886,42.214 83.959,41.287 LED59.1@83.959,39.089 82.269,39.089 81.346,38.166 LED60.1@81.346,35.933 79.748,35.933 78.669,34.854 LED61.1@78.669,33.008 76.569,33.008 75.87,32.309 LED62.1@75.87,30.15 74.346,30.15 73.179,28.983 LED63.1@73.179,27.17 71.747,27.17 71.173,26.596 ; 62.317,17.359 62.973,18.015 LED66.1@64.427,18.015 64.427,19.469 66.032,21.074 LED65.1@67.503,21.074 67.503,22.799 69.011,24.307 LED64.1@70.6,24.307 70.6,26.023 71.173,26.596
  Bottom Layer w0.2: v1(11.049,47.371) 11.811,47.371 12.818,48.378 R93.2@12.818,49.784 13.843,49.784 14.351,49.276 18.669,49.276 19.304,49.911 R91.2@20.456,49.911 ; v1(12.192,56.896) 12.192,61.976 12.827,62.611 U4.10@14.428,62.611 15.875,62.611 16.383,63.119 16.383,64.897 16.764,65.278 U5.16@16.764,66.954 v1(16.764,68.453) ; v1(12.827,54.991) U4.16@14.428,54.991 ; U5.10@24.384,66.954 v1(24.384,69.088) ; C10.1@60.706,51.689 C11.1@62.484,51.689 63.881,51.689 64.262,51.308 67.056,51.308 68.263,52.514 U11.11@71.023,52.514 ; U7.16@68.707,68.859 v1(68.707,71.501) ; v1(72.136,71.501) 75.692,71.501 76.581,70.612 ; U8.10@81.432,62.357 79.248,62.357 78.994,62.611 D2.2@77.138,62.611 77.138,66.372 76.327,67.183 U7.10@76.327,68.859 76.327,70.358 76.581,70.612 ; U8.16@81.432,69.977 79.883,69.977 78.994,70.866 76.835,70.866 76.581,70.612
  Bottom Layer w0.3: R75.1@30.734,34.535 29.455,34.535 28.956,34.036 28.956,31.877 30.607,30.226 39.116,30.226 v1(41.148,28.194) U3.10@43.269,28.194 44.831,28.194 46.981,30.344 R88.2@49.403,30.344 R87.2@51.562,30.344 R87.2@51.558,30.349 ; Q3.2@32.674,34.605 32.674,36.103 34.355,37.784 C3.2@38.227,37.784 C4.2@40.259,37.784 43.985,37.784 44.002,37.767 U1.19@44.577,37.767 ; v1(41.148,20.574) U3.16@43.269,20.574 ; U2.16@52.655,10.033 51.308,10.033 50.546,10.795 50.546,17.018 51.181,17.653 U2.10@52.655,17.653 v1(53.975,17.653) ; v1(57.15,59.436) U6.16@57.15,61.239 57.15,62.611 58.42,63.881 63.627,63.881 64.77,62.738 U6.10@64.77,61.239 ; v1(57.658,52.451) 58.801,52.451 59.563,51.689 C10.1@60.706,51.689 ; C17.2@79.121,44.131 79.945,44.131 81.788,45.974 v1(81.788,51.181) U9.10@79.731,51.181 ; U9.16@79.731,58.801 v1(81.788,58.801) 83.312,60.325 83.312,61.722 82.677,62.357 U8.10@81.432,62.357
  Bottom Layer w0.5: R75.1@30.734,34.535 32.369,34.535 32.439,34.605 Q3.2@32.674,34.605 ; R89.2@33.41,68.961 33.41,70.24 33.782,70.612 v1(39.116,70.612) 39.132,70.596 R73.2@39.132,68.961 ; SW2.2@36.83,51.669 39.009,51.669 39.751,50.927 45.72,50.927 ; P10.1@45.7,49.403 45.7,50.907 45.72,50.927 ; v1(56.388,51.689) 55.626,50.927 45.72,50.927 ; v1(62.484,20.828) U10.16@64.745,20.828 ; P1.2@67.056,35.854 64.556,35.854 62.992,34.29 62.992,28.741 63.285,28.448 U10.10@64.745,28.448 69.342,28.448 v1(70.104,27.686) ; U13.6@75.29,44.196 75.323,44.163 77.31,44.163 C18.2@77.343,44.131 C17.2@79.121,44.131
pads on no net: U1. U1.8 U1.11 U1.16 U1.17 U1.20 U1.22 U1.23 U1.24 U1.25 U1.30 U1.36 U1.38 U1.39 U1.53 U1.54 U1.55 U1.57 U1.58 U1.64 U2.9 U3.9 U4.9 U5.9 U6.9 U7.9 U8.9 U9.9 U10.6 U10.7 U10.9 U11.7 U11.8 U11.13 U11.14 U11.15 U11.22 U11.23 U11.24 U15.9 U16.4

## Polygon pours and split planes (outlines as drawn)
GND on Top Layer "NONET_L-01_P-001" (solid, remove dead copper, pour order 0): 8.382,87.376 10.287,85.471 85.598,85.471 101.346,69.723 101.346,51.181 88.9,38.735 88.9,34.544 55.626,1.27 44.958,1.27 -2.032,48.26 -2.032,58.801
GND on Bottom Layer "NONET_L-01_P-001" (solid, remove dead copper, pour order 1): 50.8,0 43.561,0 4.191,39.37 4.191,46.482 -4.572,55.245 -1.27,58.547 -1.27,69.85 12.7,83.82 38.608,83.82 45.974,76.454 52.324,82.804 85.725,82.804 100.33,68.199 100.33,48.133 87.63,35.433

## Keep-outs
Keep-Out Layer:
  lines w0.1: 52.172,25.914 47.586,25.914 47.586,20.314 52.186,20.314 52.186,25.914 ; 53.34,20.328 53.354,20.314 ; 97.518,51.9 ccw(c89.374,57.703) 99.241,59.328 ccw(c73.542,55.095) 52.062,69.827 cw(c50,71.241) 47.939,69.827 ccw(c26.459,55.095) 0.782,59.465 ccw(c10.64,57.787) 2.407,52.111 ccw(c172.671,169.496) 23.087,26.689 ccw(c177.053,164.761) 49.236,2.182 ccw(c49.854,2.968) 50.469,2.179 ccw(c-76.625,165.323) 76.726,26.57 ccw(c-72.222,170.04) 97.519,51.9

## Other copper
Top Layer:
  region: 11.718,46.321 11.718,46.736 11.718,46.321
Bottom Layer:
  region net VCC_5V: 76.835,70.866 76.327,70.358 76.327,70.866 76.263,70.929

## Silkscreen, mask and mechanical layers (free items; w line width, h text height)
Bottom Overlay:
  text "GND" at 70.512,38.073 h0.8
  text "P3.1" at 70.893,36.803 h0.8
  text "STC15-Heart-shaped lamp" at 36.83,36.715 h1.5
  text "V0.3-2024-01-01" at 36.829,35.577 h1.5
  text "P3.0" at 71.147,35.533 h0.8
  text "VCC_5V" at 72.925,34.142 h0.8